# Altium PCB DM1098OAKW.PcbDoc (part 4 of 5) (continued)
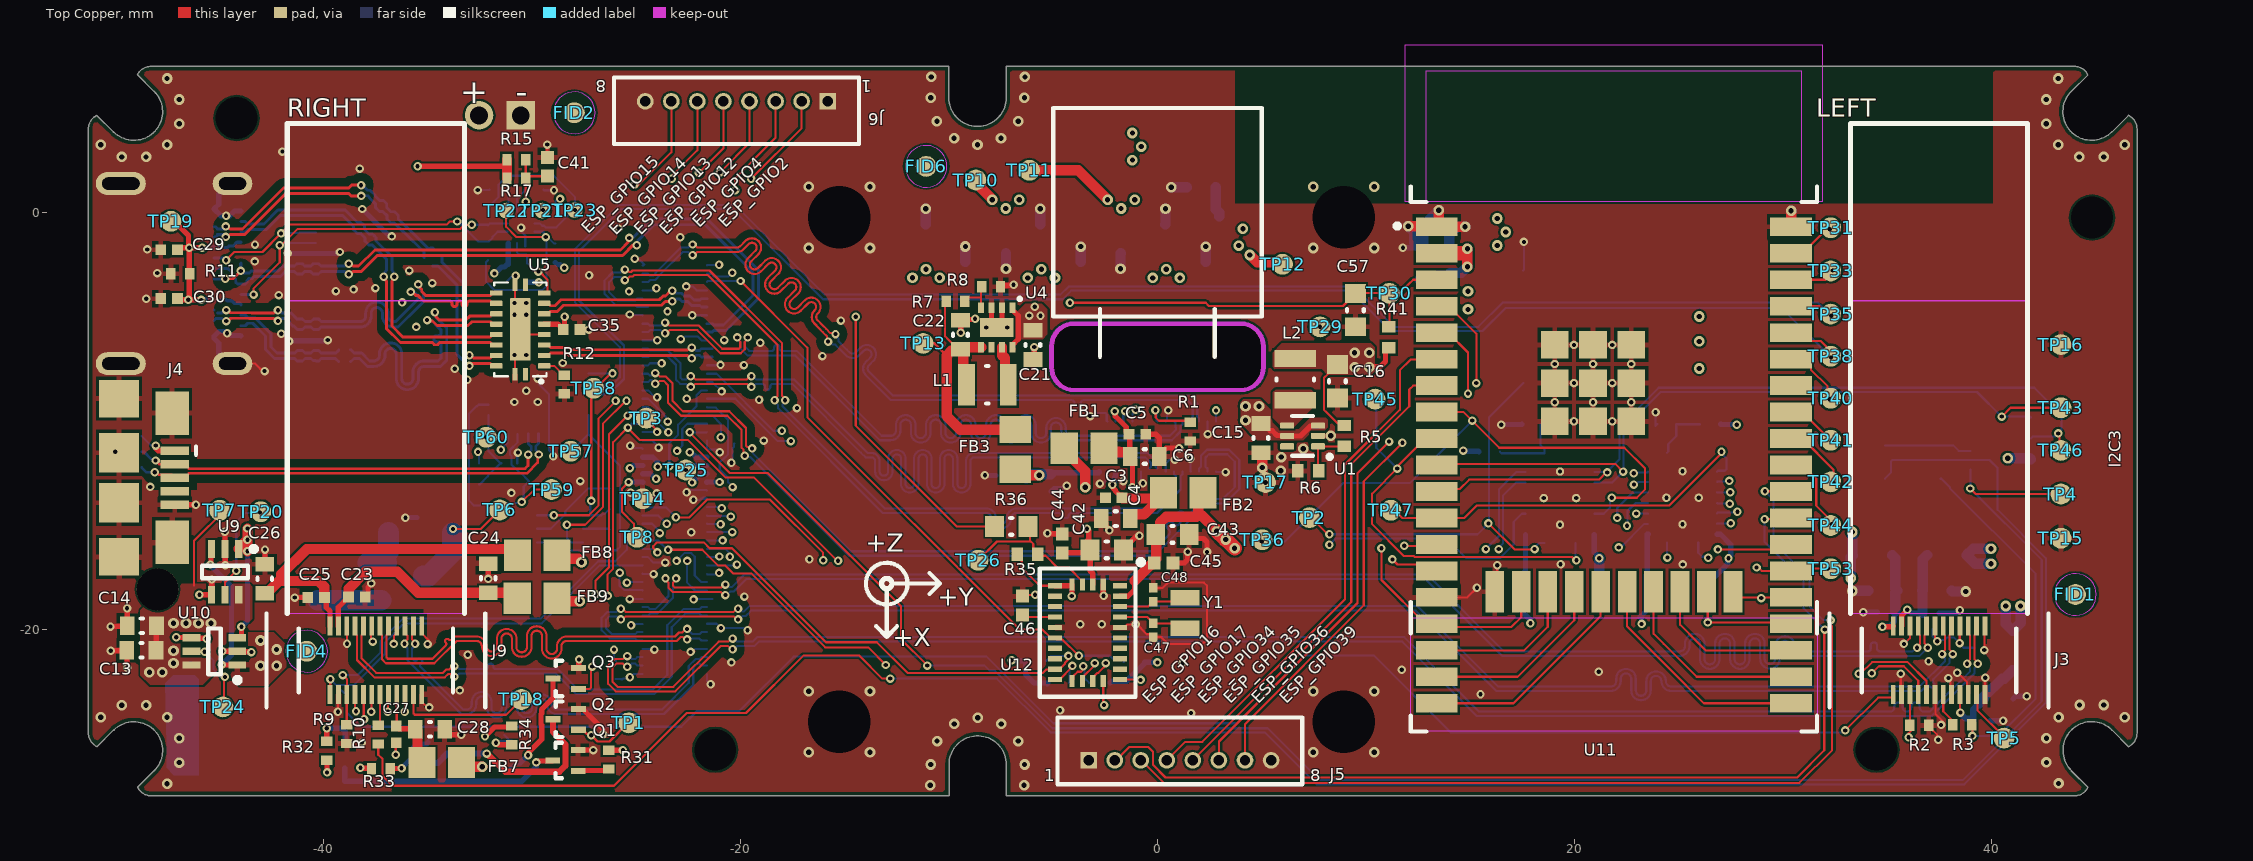
[diagram p0: Top Copper view]
## Nets (pads, with @x,y where several pads share a name; then routed paths per layer and width w, separated by ;. In a path a pad name is that pad's centre, name@x,y a point inside that pad or via, vN(x,y) a via of type N, cw(c..) or ccw(c..) an arc to the next point about the centre after c; other vN are vias at no path point) (continued)
  Bottom Copper w0.102: v1(5,-15.8) 6.1,-15.8 8.9,-13 12.1,-13 14,-11.1 v1(15.1,-10) ; U14.17@20.963,-14.466 21.42,-14.466 21.706,-14.18 21.706,-13.794 v1(21.8,-13.7)
MX_RST_1V8: B1.2 J1.39 Q3.1 TP2.1 U14.1 | length 71.7
  Top Copper w0.102: Q3.1@-27.777,-22.871 -27.237,-22.871 -27.177,-22.812 -27.177,-21.858 v1(-27.119,-21.8) ; v1(-26.379,-18.41) -26.379,-17.379 -26.115,-17.114 -26.115,-11.038 v1(-25.408,-10.331) -25.408,-10.356 -24.828,-10.936 -22.518,-10.936 -20.735,-12.719 -19.363,-12.719 -15.361,-16.722 v1(-15.327,-16.722) ; TP2.1@7.295,-14.655 7.375,-14.655 8.173,-15.454 v1(8.252,-15.454) ; v1@15.923,-14.969 17.135,-16.181 18.074,-16.181 v1(18.093,-16.162)
  Signal Layer 2 w0.102: v1(-27.119,-21.8) -27.119,-21.01 -26.759,-20.649 -26.759,-18.789 v1(-26.379,-18.41) ; v1(-15.327,-16.722) -14.88,-17.169 6.254,-17.169 7.971,-15.452 8.25,-15.452 v1(8.252,-15.454)
  Bottom Copper w0.102: v1(-25.408,-10.331) -25.381,-10.303 -25.378,-10.303 -25.225,-10.15 J1.39@-24.7,-10.15 ; v1(8.252,-15.454) v1(8.252,-15.454) 15.359,-15.452 15.907,-14.905 15.907,-9.838 B1.2@17.551,-8.194 ; v1(18.093,-16.162) 18.093,-16.093 18.321,-15.866 U14.1@18.563,-15.866
  other v1: 15.88,-14.931
MX_RST_3V3: TP45.1 U11.9 U14.20 | length 20.9
  Top Copper w0.102: TP45.1@10.442,-8.97 10.47,-8.97 v1(10.5,-9) ; U11.9@13.4,-10.86 12.85,-10.86 11.558,-12.152 11.558,-12.242 10.3,-13.5 10.3,-14.968 11.832,-16.5 12.297,-16.5 12.338,-16.541 19.888,-16.541 20.047,-16.7 v1(20.1,-16.7)
  Bottom Copper w0.102: v1(10.5,-9) 10.5,-11.3 v1(11.5,-12.3) ; U14.20@20.063,-15.866 20.063,-16.663 v1(20.1,-16.7)
NetC40_2: C40.2 D1.1 J7.1 TP6.1 U9.3 U10.1 | length 17.2
  Top Copper w0.102: v1(-33.8,-15.2) -32.472,-15.2 TP6.1@-31.557,-14.286
  Top Copper w0.254: v1(-45.439,-16.902) -45.411,-16.874 -45.411,-16.183 U9.3@-45.387,-16.159 ; v1(-44.905,-21.723) U10.1@-44.145,-21.722
  Bottom Copper w0.254: v1(-45.439,-16.902) -45.439,-16.946 -44.432,-17.953 -44.432,-21.251 v1(-44.905,-21.723)
  Bottom Copper w1: -40.271,-18.614 J7.1@-37.262,-18.614 ; -37.89,-16.818 J7.1@-36.987,-16.818 ; J7.1@-36.898,-16.279 -36.898,-15.376 ; J7.1@-35.225,-17.45 -34.976,-17.45 -33.826,-16.3 v1@-33.826,-15.397
  other v2: -43.036,-21.754 -42.264,-21.754 -42.264,-20.983 -43.036,-20.548
NetC51_2: C51.2 R39.1 U13.10 | length 2.7
  Bottom Copper w0.102: U13.10@24.443,-11.551 24.506,-11.488 24.506,-11.123 24.894,-10.735 C51.2@24.894,-10.158 24.91,-10.174 R39.1@26.02,-10.174
NetC54_2: C54.2 R40.2 U14.10 | length 3.6
  Bottom Copper w0.102: R40.2@16.427,-11.493 16.5,-11.566 U14.10@18.563,-11.566 18.563,-11.36 18.386,-11.183 C54.2@18.386,-10.172
NetD2_1: D2.1 Q1.3 | length 11.2
  Top Copper w0.254: v1(-29.801,-26.398) -29.76,-26.398 -29.692,-26.331 -29.034,-26.331 Q1.3@-29.011,-26.308
  Bottom Copper w0.254: D2.1@-39,-26.682 -39,-27.309 -30.506,-27.309 -29.801,-26.604 v1(-29.801,-26.398)
NetD2_2: D2.2 R32.1 | length 2.1
  Top Copper w0.254: R32.1@-39.852,-25.391 v1@-39.852,-24.764
  Bottom Copper w0.254: v1(-39.853,-24.763) -39.848,-24.758 -39.143,-24.758 -38.968,-24.933 -38.968,-25.401 D2.2@-39,-25.432
NetD3_1: D3.1 Q2.3 | length 9.8
  Top Copper w0.3: v1(-32.178,-25.972) -31.299,-26.852 -28.696,-26.852 -28.406,-26.561 -28.406,-25.536 -28.997,-24.944 Q2.3@-28.997,-24.333
  Bottom Copper w0.3: D3.1@-35,-26.682 -34.75,-26.432 -34.532,-26.432 -34.072,-25.972 v1(-32.178,-25.972)
NetD3_2: D3.2 R33.1 | length 2.6
  Top Copper w0.254: R33.1@-36.808,-26.705 -36.795,-26.691 -36.278,-26.691 v1(-36.265,-26.678)
  Bottom Copper w0.254: v1(-36.265,-26.678) -35.684,-26.097 -35.684,-25.659 -35.539,-25.513 -35.081,-25.513 D3.2@-35,-25.432
NetD4_1: D4.1 Q3.3 | length 5.3
  Top Copper w0.254: v1(-30.2,-26.05) -30.2,-25.948 -29.545,-25.293 -29.545,-24.611 -29.579,-24.577 -29.579,-24.089 -29.545,-24.055 -29.545,-23.858 -28.997,-23.311 Q3.3@-28.997,-22.371
  Bottom Copper w0.254: D4.1@-31,-26.682 -30.727,-26.409 -30.559,-26.409 v1(-30.2,-26.05)
NetD4_2: D4.2 R34.1 | length 2
  Top Copper w0.254: v1(-31.738,-25.458) -31.697,-25.458 -31.602,-25.553 R34.1@-30.986,-25.553
  Bottom Copper w0.102: D4.2@-31.349,-25.083 D4.2@-31,-25.432
  Bottom Copper w0.254: v1(-31.738,-25.458) -31.026,-25.458 D4.2@-31,-25.432
NetJ1_4: J1.4 R36.2 | length 22.1
  Top Copper w0.102: v1(-14.475,-5.015) -14.475,-10.242 -9.642,-15.074 R36.2@-7.815,-15.074
  Signal Layer 2 w0.102: v1(-20.4,-2.9) -17.3,-2.9 -15.651,-4.549 -14.941,-4.549 v1(-14.475,-5.015)
  Bottom Copper w0.102: J1.4@-21.62,-2.95 -21.36,-2.95 -21.321,-2.989 -21.321,-3.05 -21.28,-3.091 -20.591,-3.091 v1(-20.4,-2.9)
NetL1_1: L1.1 U4.7 | length 1.9
  Top Copper w0.5: U4.7@-7.459,-6.482 -7.459,-6.867 -7.314,-7.012 -7.314,-8.123 L1.1@-7.164,-8.273
NetL2_1: L2.1 U1.4
NetQ1_1: Q1.1 R31.1 | length 1.5
  Top Copper w0.254: Q1.1@-27.791,-26.808 -27.768,-26.785 -26.402,-26.785 R31.1@-26.331,-26.714
NetQ4_2: Q4.2 R46.1 | length 4.3
  Bottom Copper w0.102: Q4.2@-29.763,-15.19 -29.109,-15.19 -28.412,-14.493 -28.412,-14.356 -27.308,-13.251 R46.1@-26.299,-13.251
NetQ4_5: Q4.5 R43.2 | length 1.3
  Bottom Copper w0.102: Q4.5@-27.563,-15.19 -26.345,-15.19 R43.2@-26.306,-15.229
NetR4_2: R4.2 R24.1 R26.1 | length 4.2
  Bottom Copper w0.102: R26.1@34.9,-11.189 R24.1@37.57,-11.189 38.187,-11.189 38.447,-11.449 R4.2@39.003,-11.449
NetR7_1: R7.1 R8.2 U4.4 | length 1.9
  Top Copper w0.102: R7.1@-9.241,-4.275 -9.241,-4.267 -9.066,-4.093 -8.459,-4.093 ; U4.4@-8.459,-4.582 -8.459,-4.093 ; R8.2@-8.43,-3.575 -8.459,-3.604 -8.459,-4.093
NetR12_1: R12.1 U5.2 | length 1.2
  Top Copper w0.102: U5.2@-29.421,-7.372 -28.95,-7.372 -28.505,-7.816 R12.1@-28.455,-7.816
NetR13_1: R13.1 U5.9 U6.11 | length 3.4
  Top Copper w0.102: v1@-29.7,-2.8 -29.266,-3.234 -29.266,-3.798 -29.34,-3.872 U5.9@-29.421,-3.872
  Bottom Copper w0.102: U6.11@-30.734,-1.486 -30.734,-1.923 -30.633,-2.024 -30.296,-2.024 -30.236,-2.083 R13.1@-30.236,-2.449 ; R13.1@-30.2,-2.45 -29.8,-2.85 v1(-29.7,-2.85)
NetR18_1: R18.1 R20.1 TP23.1 U6.7 | length 8.5
  Bottom Copper w0.102: R18.1@-32.115,0.277 -32.065,0.277 -31.608,0.734 -31.608,1.33 -31.299,1.639 -31.288,1.639 -31.175,1.752 -28.964,1.752 -27.951,0.739 -27.951,0.159 -28.838,-0.728 R20.1@-28.888,-0.728 -29.351,-0.728 -29.427,-0.652 -29.518,-0.652 -29.634,-0.536 U6.7@-29.884,-0.536
  other v1: -27.951,0.109
NetR19_1: R19.1 R21.1 TP22.1 U6.8 | length 10.8
  Top Copper w0.102: TP22.1@-31.254,0.079 -31.254,-0.695 -30.754,-1.195 v1(-29.346,-1.195) v1@-29.274,-1.123
  Bottom Copper w0.102: R19.1@-32.121,-2.301 -32.211,-2.391 -32.211,-3.336 -31.806,-3.741 -29.513,-3.741 -29.322,-3.55 v1@-29.322,-1.262 ; U6.8@-29.884,-0.936 -29.461,-0.936 -29.461,-0.998 -29.346,-1.113 v1(-29.346,-1.195) v1@-29.288,-1.254 ; v1@-29.279,-1.262 v1@-29.288,-1.254 ; R21.1@-28.896,-1.508 -28.946,-1.508 -29.2,-1.254 v1@-29.288,-1.254
NetR42_2: R42.2 R44.2 TP60.1 U15.8 | length 4.1
  Bottom Copper w0.102: R42.2@-32.551,-13.05 -32.558,-13.057 -32.508,-13.057 -32.126,-12.675 -32.126,-12.649 R44.2@-31.52,-12.044 ; v1(-32.2,-10.8) -32.2,-10.718 -32.097,-10.615 U15.8@-32.097,-9.736 ; v1@-32.097,-10.8 -32.097,-11.467 R44.2@-31.52,-12.044 ; R44.2@-31.47,-12.044 R44.2@-31.52,-12.044
NetR45_2: R45.2 U15.9 | length 6
  Bottom Copper w0.102: R45.2@-32.462,-14.017 -32.525,-14.08 -32.793,-14.08 -33.027,-13.846 -33.027,-9.661 -32.674,-9.308 -32.648,-9.308 -32.576,-9.236 U15.9@-32.097,-9.236
NetTP20_1: TP20.1 U9.5 | length 5
  Top Copper w0.102: U9.5@-44.737,-18.359 -44.737,-17.741 v1(-44.199,-17.203)
  Bottom Copper w0.102: v1(-44.199,-17.203) -44.199,-14.86 -43.778,-14.44 -43.088,-14.44 v1(-43.058,-14.41)
NetTP21_1: TP21.1 U6.6 | length 0.6
  Top Copper w0.102: TP21.1@-29.525,0.079 -29.495,0.109 v1(-29.487,0.109)
  Bottom Copper w0.102: U6.6@-29.934,0.014 -29.934,0.06 -29.885,0.109 v1(-29.487,0.109)
NetTP24_1: TP24.1 U10.5 | length 3.9
  Top Copper w0.102: U10.5@-46.345,-21.072 -46.329,-21.089 v1(-45.721,-21.089) ; TP24.1@-44.837,-23.736 -44.791,-23.689 -44.791,-22.343 v1(-44.744,-22.297)
  Bottom Copper w0.102: v1(-45.721,-21.089) -45.286,-21.523 -45.286,-21.947 -44.91,-22.324 -44.771,-22.324 v1(-44.744,-22.297)
RTS: Q4.4 R46.2 TP58.1 U15.24 | length 9.7
  Top Copper w0.102: v1(-27.167,-13.852) -27.167,-8.643 -27.136,-8.643 -26.23,-7.737 v1(-26.148,-7.737)
  Bottom Copper w0.102: Q4.4@-27.563,-14.54 -26.685,-14.54 -26.62,-14.475 -26.523,-14.475 R46.2@-26.299,-14.251 ; U15.24@-27.297,-7.736 -26.368,-7.736 -26.367,-7.737 v1(-26.148,-7.737) ; Q4.4@-27.215,-14.394 -27.215,-13.901 v1(-27.167,-13.852)
RXB_N: D7.1 D7.10 J10.B10 U5.13 | length 17.3
  Top Copper w0.139: v1(-44.684,-4.695) -44.611,-4.695 -44.485,-4.822 -43.472,-4.822 -43.466,-4.828 -42.393,-4.828 -42.272,-4.707 v1(-42.2,-4.707) ; v1(-35.823,-3.823) -35.751,-3.823 -35.586,-3.988 -35.488,-3.988 -35.221,-4.255 -34.292,-4.255 -33.984,-4.255 cw(c-33.984,-4.393) -33.845,-4.393 -33.845,-4.405 ccw(c-33.726,-4.405) -33.726,-4.524 ccw(c-33.726,-4.405) -33.607,-4.405 -33.607,-4.374 cw(c-33.487,-4.374) -33.487,-4.255 cw(c-33.487,-4.374) -33.368,-4.374 -33.368,-4.405 ccw(c-33.249,-4.405) -33.249,-4.524 ccw(c-33.249,-4.405) -33.129,-4.405 -33.129,-4.393 cw(c-32.991,-4.393) -32.991,-4.255 -32.4,-4.255 -32.229,-4.255 -32.014,-4.255 -31.896,-4.372 U5.13@-31.721,-4.372
  Bottom Copper w0.139: J10.B10@-45.1,-4.828 -44.888,-4.828 -44.756,-4.695 v1(-44.684,-4.695) ; v1(-42.2,-4.707) -42.128,-4.707 -42.007,-4.828 -41.578,-4.828 -41.274,-5.132 D7.10@-41.149,-5.132 -41.024,-5.132 -40.907,-5.249 -40.611,-5.249 -40.494,-5.132 D7.1@-40.369,-5.132 -40.244,-5.132 -40.127,-5.249 -38.462,-5.249 -38.26,-5.249 ccw(c-38.26,-4.98) -37.99,-4.98 -37.99,-4.846 cw(c-37.455,-4.846) -37.455,-4.311 cw(c-37.455,-4.846) -36.92,-4.846 -36.92,-4.98 ccw(c-36.651,-4.98) -36.651,-5.249 -36.549,-5.249 -35.542,-4.242 -35.488,-4.188 -35.488,-3.988 -35.601,-3.874 -35.772,-3.874 v1(-35.823,-3.823)
RXB_P: D7.2 D7.9 J10.B11 U5.12 | length 17.4
  Top Copper w0.139: v1(-44.676,-5.226) -44.603,-5.226 -44.465,-5.088 -43.582,-5.088 -43.576,-5.093 -42.393,-5.093 -42.272,-5.214 v1(-42.2,-5.214) ; v1(-35.465,-3.465) -35.465,-3.537 -35.3,-3.702 -35.3,-3.8 -35.111,-3.989 -32.339,-3.989 -32.014,-3.989 -31.896,-3.872 U5.12@-31.721,-3.872
  Bottom Copper w0.139: J10.B11@-45.268,-5.195 J10.B11@-45.159,-5.087 ; J10.B11@-45.1,-5.093 -44.881,-5.093 -44.748,-5.226 v1(-44.676,-5.226) ; v1(-42.2,-5.214) -42.128,-5.214 -42.007,-5.093 -41.8,-5.093 -41.647,-5.246 -41.647,-5.298 -41.494,-5.451 -41.455,-5.451 -41.274,-5.632 D7.9@-41.149,-5.632 -41.024,-5.632 -40.907,-5.515 -40.611,-5.515 -40.494,-5.632 D7.2@-40.369,-5.632 -40.244,-5.632 -40.127,-5.515 -38.462,-5.515 -38.26,-5.515 ccw(c-38.26,-4.98) -37.725,-4.98 -37.725,-4.846 cw(c-37.455,-4.846) -37.455,-4.577 cw(c-37.455,-4.846) -37.186,-4.846 -37.186,-4.98 ccw(c-36.651,-4.98) -36.651,-5.515 -36.439,-5.515 -35.462,-4.538 -35.222,-4.298 -35.222,-3.878 -35.414,-3.686 -35.414,-3.516 v1(-35.465,-3.465)
RXC_N: D8.1 D8.10 J10.A10 U5.17 | length 17.5
  Top Copper w0.139: v1(-37.12,-3.1) -37.12,-3.172 -37,-3.293 -37,-5.576 -36.321,-6.255 -35.105,-6.255 -34.79,-6.255 -34.709,-6.336 -34.709,-6.35 -34.699,-6.359 -34.53,-6.359 -34.52,-6.35 -34.52,-6.336 -34.439,-6.255 -34.37,-6.255 -33.83,-6.255 -32.578,-6.255 -32.014,-6.255 -31.896,-6.372 U5.17@-31.721,-6.372
  Bottom Copper w0.139: J10.A10@-43.968,-0.945 -43.768,-0.945 -43.651,-0.828 -42.758,-0.828 -42.096,-0.167 -39.082,-0.167 -38.571,-0.677 -38.571,-0.843 D8.1@-38.483,-0.931 -38.394,-1.02 -38.229,-1.02 -38.02,-1.229 -38.02,-1.394 D8.10@-37.931,-1.483 -37.843,-1.571 -37.677,-1.571 -37,-2.249 -37,-2.8 -37.069,-2.869 -37.069,-3.049 v1(-37.12,-3.1)
RXC_P: D8.2 D8.9 J10.A11 U5.16 | length 17.4
  Top Copper w0.139: v1(-36.614,-3.1) -36.614,-3.172 -36.734,-3.293 -36.734,-5.466 -36.211,-5.989 -33.961,-5.989 -32.688,-5.989 ; -32.688,-5.989 -32.014,-5.989 -31.896,-5.872 U5.16@-31.721,-5.872
  Bottom Copper w0.139: J10.A11@-43.968,-0.445 -43.768,-0.445 -43.651,-0.563 -42.868,-0.563 -42.206,0.099 -38.972,0.099 -38.383,-0.489 -38.218,-0.489 D8.2@-38.129,-0.578 -38.041,-0.666 -38.041,-0.832 -37.832,-1.041 -37.666,-1.041 D8.9@-37.578,-1.129 -37.489,-1.218 -37.489,-1.383 -36.734,-2.138 -36.734,-2.8 -36.665,-2.869 -36.665,-3.049 v1(-36.614,-3.1)
SPI0_CS_0: J1.70 U13.1 | length 53.5
  Signal Layer 2 w0.102: v1(-20.511,-16.526) -20.455,-16.47 -19.803,-16.47 -17.004,-19.269 -12.231,-19.269 -10.354,-21.146 -6.491,-21.146 -4.343,-23.294 2.403,-23.294 6.437,-19.26 11.648,-19.26 15.302,-15.606 23.502,-15.606 v1(24.468,-16.573)
  Bottom Copper w0.102: J1.70@-21.62,-16.15 -20.742,-16.15 -20.481,-16.411 -20.511,-16.442 v1(-20.511,-16.526) ; U13.1@24.443,-15.851 24.456,-15.863 24.456,-16.561 v1(24.468,-16.573)
SPI0_SCK: J1.74 U12.19 U13.3 | length 54.5
  Top Copper w0.102: U12.19@-2.601,-22.487 -2.601,-23.61 v1(-2.562,-23.648)
  Signal Layer 2 w0.102: v1(-20.175,-16.904) -17.6,-19.479 -12.823,-19.479 -12.701,-19.601 -11.701,-20.601 -11.202,-21.1 -10.448,-21.854 -6.157,-21.854 -4.362,-23.648 v1(-2.562,-23.648) -2.551,-23.637 2.469,-23.637 6.627,-19.479 11.906,-19.479 15.577,-15.808 16.5,-15.808 16.902,-15.808 cw(c16.902,-15.984) 17.078,-15.984 17.078,-16.172 ccw(c17.254,-16.172) 17.254,-16.348 ccw(c17.254,-16.172) 17.43,-16.172 17.43,-15.984 cw(c17.606,-15.984) 17.606,-15.808 18.1,-15.808 18.6,-15.808 19.002,-15.808 cw(c19.002,-15.984) 19.178,-15.984 19.178,-16.172 ccw(c19.354,-16.172) 19.354,-16.348 ccw(c19.354,-16.172) 19.53,-16.172 19.53,-15.984 cw(c19.706,-15.984) 19.706,-15.808 19.812,-15.808 20.089,-16.085 20.3,-16.085 v1(22.133,-16.085)
  Bottom Copper w0.102: J1.74@-21.62,-16.95 -21.616,-16.946 -20.216,-16.946 v1(-20.175,-16.904) ; v1(22.133,-16.085) 22.229,-16.085 23.363,-14.951 U13.3@23.543,-14.951
SPI0_SIO0: J1.62 U12.17 U13.7 | length 53.9
  Top Copper w0.102: U12.17@-3.601,-22.487 -3.601,-22.324 -3.014,-21.738 v1(-3.014,-21.633)
  Signal Layer 2 w0.102: v1(-20.473,-14.606) -19.909,-14.606 -16.222,-18.293 -8.907,-18.293 -8.8,-18.4 -8.764,-18.436 ccw(c-8.692,-18.364) -8.62,-18.436 -8.598,-18.413 cw(c-8.527,-18.485) -8.455,-18.413 cw(c-8.527,-18.485) -8.455,-18.556 -8.478,-18.578 ccw(c-8.406,-18.65) -8.478,-18.722 -8.093,-19.107 -8.033,-19.167 -6.949,-20.251 -4.155,-20.251 -3.27,-21.136 -3.27,-21.358 -3.052,-21.576 -2.956,-21.576 v1@-3.013,-21.634 ; v1(-3.014,-21.633) -3.014,-21.654 -3.053,-21.693 -3.053,-21.876 -2.843,-22.086 1.923,-22.087 5.732,-18.278 11.063,-18.278 16.074,-13.267 22.581,-13.267 22.777,-13.071 v1(22.86,-13.071)
  Bottom Copper w0.102: J1.62@-21.62,-14.55 -21.592,-14.578 -20.501,-14.578 v1(-20.473,-14.606) ; v1(22.86,-13.071) 22.942,-13.071 23.062,-12.951 U13.7@23.543,-12.951
SPI0_SIO1: J1.64 U12.20 U13.4 | length 55.7
  Top Copper w0.102: U12.20@-1.788,-22.424 -0.984,-22.424 -0.967,-22.441 v1(-0.81,-22.441)
  Signal Layer 2 w0.102: v1(-20.961,-14.975) -19.939,-14.975 -16.347,-18.566 -9.934,-18.566 -9.45,-19.05 -8.8,-19.7 -7.997,-20.503 -5.888,-20.503 -4.043,-22.348 -1.001,-22.348 -0.907,-22.441 v1(-0.81,-22.441) ; v1@-0.81,-22.475 2.051,-22.475 5.941,-18.585 11.154,-18.585 15.523,-14.216 15.7,-14.216 15.751,-14.216 ccw(c15.751,-14.04) 15.927,-14.04 15.927,-13.875 cw(c16.102,-13.875) 16.102,-13.699 cw(c16.102,-13.875) 16.278,-13.875 16.278,-14.188 ccw(c16.454,-14.188) 16.454,-14.363 ccw(c16.454,-14.188) 16.63,-14.188 16.63,-13.852 cw(c16.806,-13.852) 16.806,-13.676 cw(c16.806,-13.852) 16.981,-13.852 16.981,-14.188 ccw(c17.157,-14.188) 17.157,-14.363 ccw(c17.157,-14.188) 17.333,-14.188 17.333,-13.852 cw(c17.509,-13.852) 17.509,-13.676 cw(c17.509,-13.852) 17.685,-13.852 17.685,-14.04 ccw(c17.86,-14.04) 17.86,-14.216 19.5,-14.216 22.434,-14.216 22.677,-14.459 v1(22.975,-14.459)
  Bottom Copper w0.102: J1.64@-21.62,-14.95 -21.608,-14.962 -20.974,-14.962 v1(-20.961,-14.975) ; v1(22.975,-14.459) 22.979,-14.455 23.539,-14.455 U13.4@23.543,-14.451
SPI0_SIO2: J1.66 U13.6 | length 52.5
  Signal Layer 2 w0.102: v1(-20.399,-15.35) -20.34,-15.408 -19.89,-15.408 -16.493,-18.804 -10.696,-18.804 -8.757,-20.743 -6.105,-20.743 -4.052,-22.795 2.165,-22.795 6.156,-18.804 11.327,-18.804 15.566,-14.565 21.872,-14.565 21.977,-14.671 v1(22.06,-14.671)
  Bottom Copper w0.102: J1.66@-21.62,-15.35 v1(-20.399,-15.35) ; v1(22.06,-14.671) 22.06,-14.195 22.804,-13.451 U13.6@23.543,-13.451
SPI0_SIO3: J1.68 U13.5 | length 52.4
  Signal Layer 2 w0.102: v1(-20.865,-15.749) -20.826,-15.789 -19.976,-15.789 -16.707,-19.058 -11.542,-19.058 -9.656,-20.944 -6.36,-20.944 -4.222,-23.083 2.162,-23.083 6.187,-19.058 11.497,-19.058 15.195,-15.361 22.208,-15.361 v1(22.528,-15.041)
  Bottom Copper w0.102: J1.68@-21.62,-15.75 v1@-20.866,-15.75 ; v1(22.528,-15.041) 22.556,-15.014 22.556,-14.338 22.942,-13.951 U13.5@23.543,-13.951
STRB2: J9.14 TP18.1 | length 6.4
  Top Copper w0.102: J9.14@-35.7,-23.14 -35.696,-23.144 -35.696,-24.054 -35.637,-24.113 -31.251,-24.113 TP18.1@-30.515,-23.377
STROBE1: J3.14 TP5.1 | length 2.6
  Top Copper w0.102: J3.14@39.3,-23.14 39.341,-23.181 39.341,-23.896 40.619,-25.174 TP5.1@40.619,-25.235
TXB1_N: C31.2 U5.15 | length 13.7
  Top Copper w0.139: v1@-34.976,-5.224 -34.788,-5.224 -34.572,-5.44 -33.075,-5.44 -32.89,-5.255 -32.014,-5.255 -31.896,-5.372 U5.15@-31.721,-5.372
  Bottom Copper w0.139: C31.2@-38.72,-6.6 -38.7,-6.6 -38.548,-6.752 -38.182,-6.752 -37.799,-7.134 -37.597,-7.134 ccw(c-37.597,-6.865) -37.328,-6.865 -37.328,-6.803 cw(c-36.793,-6.803) -36.793,-6.268 cw(c-36.793,-6.803) -36.258,-6.803 -36.258,-7.981 ccw(c-35.989,-7.981) -35.989,-8.251 ccw(c-35.989,-7.981) -35.719,-7.981 -35.719,-7.669 cw(c-35.184,-7.669) -35.184,-7.134 -34.513,-7.134 -34.368,-6.989 -34.368,-6.359 ccw(c-34.512,-6.359) -34.512,-6.214 -34.576,-6.214 cw(c-34.576,-6.07) -34.576,-5.926 -34.512,-5.926 ccw(c-34.512,-5.781) -34.368,-5.781 -34.368,-5.662 -34.534,-5.495 -34.806,-5.224 -34.976,-5.224 v1@-35.027,-5.173
  other v1: -35.042,-5.173
TXB1_P: C32.2 U5.14 | length 13.8
  Top Copper w0.139: v1@-34.669,-4.815 -34.618,-4.866 -34.618,-5.018 -34.462,-5.174 -33.185,-5.174 -33,-4.989 -32.014,-4.989 U5.14@-32,-4.975 ; U5.14@-32,-4.989 U5.14@-32,-4.975 ; U5.14@-31.721,-4.872 -31.896,-4.872 U5.14@-32,-4.975
  Bottom Copper w0.139: C32.2@-38.72,-7.169 -38.7,-7.169 -38.548,-7.017 -38.292,-7.017 -37.909,-7.4 -37.799,-7.4 -37.597,-7.4 ccw(c-37.597,-6.865) -37.062,-6.865 -37.062,-6.803 cw(c-36.793,-6.803) -36.793,-6.534 cw(c-36.793,-6.803) -36.524,-6.803 -36.524,-7.981 ccw(c-35.989,-7.981) -35.989,-8.516 ccw(c-35.989,-7.981) -35.454,-7.981 -35.454,-7.669 cw(c-35.184,-7.669) -35.184,-7.4 -34.513,-7.4 -34.403,-7.4 -34.102,-7.099 -34.102,-5.552 -34.618,-5.036 -34.618,-4.851 v1(-34.669,-4.8)
TXB_N: C31.1 D7.4 D7.7 J10.A3 | length 6.1
  Bottom Copper w0.139: J10.A3@-43.968,-4.945 -43.768,-4.945 -43.651,-5.063 -43.3,-5.063 -42.534,-5.828 -42.534,-6.466 -42.251,-6.749 -41.391,-6.749 -41.274,-6.632 D7.7@-41.149,-6.632 -41.024,-6.632 -40.907,-6.749 -40.611,-6.749 -40.494,-6.632 D7.4@-40.369,-6.632 -40.244,-6.632 -40.127,-6.749 -39.71,-6.749 -39.708,-6.752 -39.412,-6.752 -39.28,-6.62 C31.1@-39.28,-6.6
TXB_P: C32.1 D7.5 D7.6 J10.A2 | length 6
  Bottom Copper w0.139: J10.A2@-43.968,-5.445 -43.768,-5.445 -43.651,-5.328 -43.41,-5.328 -42.8,-5.938 -42.8,-6.576 -42.361,-7.015 -41.391,-7.015 -41.274,-7.132 D7.6@-41.149,-7.132 -41.024,-7.132 -40.907,-7.015 -40.611,-7.015 -40.512,-7.114 D7.5@-40.41,-7.114 ; D7.5@-40.369,-7.132 -40.244,-7.132 -40.127,-7.015 -39.82,-7.015 -39.818,-7.017 -39.452,-7.017 -39.3,-7.169 C32.1@-39.28,-7.169
TXC1_N: C33.2 U5.19 | length 7.9
  Top Copper w0.139: U5.19@-31.721,-7.372 -31.896,-7.372 -32.014,-7.255 -32.229,-7.255 ; -32.817,-7.255 -32.795,-7.255 ; -32.817,-7.255 -32.89,-7.255 v1(-33.01,-7.375) -32.938,-7.375 -32.817,-7.255 ; -32.795,-7.255 -32.229,-7.255 ; -32.795,-7.255 -32.229,-7.255
  Bottom Copper w0.139: C33.2@-34.786,-2.574 -34.772,-2.588 -34.644,-2.588 -34.639,-2.583 -34.524,-2.583 -33.6,-3.508 -33.6,-6.836 -33.061,-7.375 v1(-33.01,-7.375)
TXC1_P: C34.2 U5.18 | length 6.8
  Top Copper w0.139: v1(-33.01,-6.869) -32.938,-6.869 -32.817,-6.989 -32.339,-6.989 -32.014,-6.989 -31.896,-6.872 U5.18@-31.721,-6.872
  Bottom Copper w0.139: C34.2@-34.346,-2.133 -34.332,-2.148 -34.332,-2.276 -34.337,-2.28 -34.337,-2.395 -33.334,-3.397 -33.334,-6.726 -33.243,-6.817 -33.061,-6.817 v1(-33.01,-6.869)
TXC_N: C33.1 D8.4 D8.7 J10.B3 | length 12.6
  Top Copper w0.139: v1(-44.701,-1.187) -44.629,-1.187 -44.508,-1.066 -43.79,-1.066 -41.824,0.9 -41.2,0.9 -39.189,0.9 -38.8,0.9 -38.68,0.78 v1(-38.2,0.78)
  Bottom Copper w0.139: J10.B3@-45.268,-1.195 -45.193,-1.195 -45.112,-1.115 -45.112,-1.078 v1@-44.8,-1.078 ; v1(-38.2,0.78) -38.19,0.79 -37.885,0.79 -37.804,0.709 -37.804,0.677 -37.511,0.383 -37.511,0.218 D8.4@-37.422,0.129 -37.334,0.041 -37.168,0.041 -36.959,-0.168 -36.959,-0.334 D8.7@-36.871,-0.422 -36.782,-0.511 -36.617,-0.511 -36.164,-0.963 -36.144,-0.963 -35.192,-1.916 -35.192,-2.031 -35.196,-2.035 -35.196,-2.164 C33.1@-35.182,-2.178
TXC_P: C34.1 D8.5 D8.6 J10.B2 | length 13.7
  Top Copper w0.139: v1(-44.701,-0.679) -44.629,-0.679 -44.508,-0.8 -43.9,-0.8 -41.934,1.166 -41.7,1.166 ; v1(-38.211,1.297) -38.668,1.297 -38.8,1.166 -39.8,1.166 -40.9,1.166 ; -41.7,1.166 -40.9,1.166 ; -41.7,1.166 -40.9,1.166
  Bottom Copper w0.139: J10.B2@-45.268,-0.695 -45.193,-0.695 -45.112,-0.776 -45.112,-0.813 v1@-44.8,-0.813 ; v1(-38.211,1.297) -38.139,1.297 -37.897,1.056 -37.775,1.056 -37.539,0.819 -37.539,0.787 -37.323,0.571 -37.157,0.571 D8.5@-37.069,0.483 -36.98,0.394 -36.98,0.229 -36.771,0.02 -36.606,0.02 D8.6@-36.517,-0.069 -36.429,-0.157 -36.429,-0.323 -36.054,-0.698 -36.034,-0.698 -35.004,-1.728 -34.889,-1.728 -34.884,-1.723 -34.756,-1.723 C34.1@-34.742,-1.737
USB_CM: R14.1 U6.3 | length 1.1
  Bottom Copper w0.102: R14.1@-31.147,1.078 -31.134,1.066 U6.3@-31.134,0.014
USB_D_N: D6.2 D6.9 J1.18 J10.A7 J10.B7 | length 34
  Top Copper w0.139: v1(-44.723,-3.195) -44.367,-3.195 v1(-43.988,-2.816) ; v1(-38.8,-2.468) -38.728,-2.468 -38.607,-2.588 -38.327,-2.588 -37.548,-1.809 -25.77,-1.809 -25.396,-1.435 -25.396,-1.284 v1(-25.344,-1.233)
  Bottom Copper w0.139: J10.B7@-45.268,-3.195 v1(-44.723,-3.195) ; v1(-43.988,-2.816) -43.988,-2.466 J10.A7@-43.968,-2.445 -43.968,-2.841 -43.887,-2.923 -43.566,-2.923 -43.456,-2.813 -43.1,-2.813 -42.188,-2.813 -41.964,-2.588 -41.402,-2.588 -41.285,-2.471 D6.2@-41.16,-2.471 -41.035,-2.471 -40.918,-2.588 -40.622,-2.588 -40.505,-2.471 D6.9@-40.38,-2.471 -40.255,-2.471 -40.138,-2.588 -38.993,-2.588 -38.872,-2.468 v1(-38.8,-2.468) ; v1(-25.344,-1.233) -25.293,-1.181 -25.123,-1.181 -24.276,-0.334 -21.59,-0.334 -19.134,-2.79 -19.134,-4.11 -20.707,-5.683 -21.293,-5.683 -21.36,-5.75 J1.18@-21.62,-5.75
USB_D_P: D6.1 D6.10 J1.16 J10.A6 J10.B6 | length 32.7
  Top Copper w0.139: v1(-38.8,-2.974) -38.728,-2.974 -38.607,-2.854 -38.217,-2.854 -37.438,-2.075 -25.66,-2.075 -25.149,-1.564 v1@-25.13,-1.564
  Bottom Copper w0.139: J10.B6@-45.268,-2.695 -44.605,-2.695 -44.4,-2.9 -44.4,-3.01 -44.224,-3.185 -44.224,-3.365 -44.144,-3.445 J10.A6@-43.968,-3.445 -43.768,-3.445 -43.687,-3.365 -43.687,-3.269 -43.606,-3.188 -43.456,-3.188 -43.346,-3.078 -43.1,-3.078 -42.078,-3.078 -41.854,-2.854 -41.402,-2.854 -41.285,-2.971 D6.1@-41.16,-2.971 -41.035,-2.971 -40.918,-2.854 -40.622,-2.854 -40.505,-2.971 D6.10@-40.38,-2.971 -40.255,-2.971 -40.138,-2.854 -38.993,-2.854 -38.872,-2.974 v1(-38.8,-2.974) ; v1(-24.986,-1.591) -24.935,-1.539 -24.935,-1.369 -24.166,-0.6 -21.7,-0.6 -19.4,-2.9 -19.4,-3.956 -19.4,-4 -20.817,-5.417 -20.825,-5.417 -21.293,-5.417 -21.36,-5.35 J1.16@-21.62,-5.35